# KiCad board POWER_BOARD.kicad_pcb (continued)
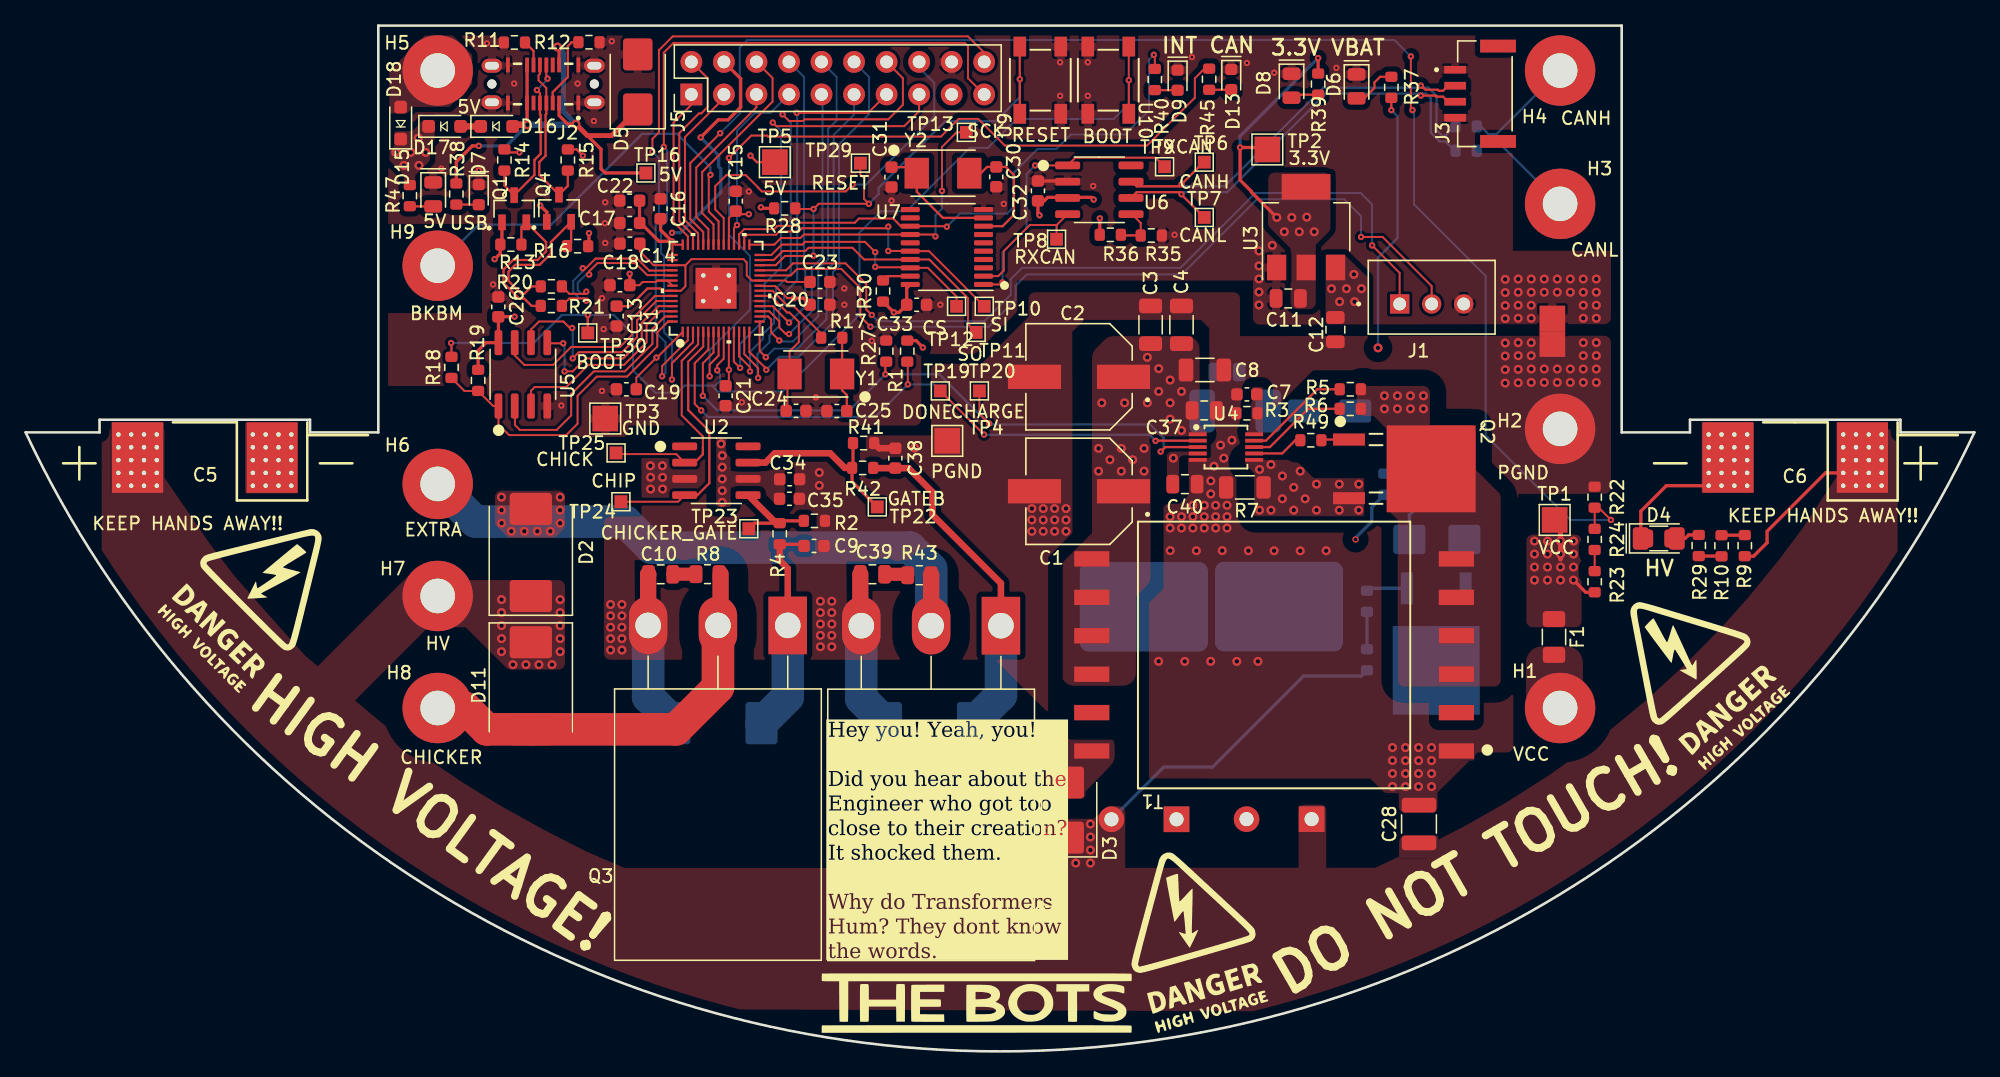
[diagram p0: board, top side]
## Footprints (pads in the part's own frame, mm; a bottom-side part is the same pattern mirrored in y, then rotated)
ABM3
  rect 1.9x2.4 smd: 1(-2.05,0) 2(2.05,0)
C_0603_1608Metric
  rrect 0.9x0.95 smd: 1(-0.775,0) 2(0.775,0)
C_0805_2012Metric
  rrect 1x1.45 smd: 1(-0.95,0) 2(0.95,0)
C_1206_3216Metric
  rrect 1.15x1.8 smd: 1(-1.475,0) 2(1.475,0)
C_1210_3225Metric
  rrect 1.15x2.7 smd: 1(-1.475,0) 2(1.475,0)
CAP_25SVPF100M
  rect 4.15x1.9 smd: 1(-3.475,0) 2(3.475,0)
CP_Radial_Horizontal_D25.4mm_H45mm
  round 0.7 hole 0.35: 1(-6.75,-1.15) 1(-6.75,-2.15) 1(-6.75,-3.15) 1(-6.75,-4.15) 1(-6.75,-5.15) 1(-5.75,-1.15) 1(-5.75,-2.15) 1(-5.75,-3.15) 1(-5.75,-4.15) 1(-5.75,-5.15) 1(-4.75,-1.15) 1(-4.75,-2.15) 1(-4.75,-3.15) 1(-4.75,-4.15) 1(-4.75,-5.15) 1(-3.75,-1.15) 1(-3.75,-2.15) 1(-3.75,-3.15) 1(-3.75,-4.15) 1(-3.75,-5.15) 2(3.75,-1.15) 2(3.75,-2.15) 2(3.75,-3.15) 2(3.75,-4.15) 2(3.75,-5.15) 2(4.75,-1.15) 2(4.75,-2.15) 2(4.75,-3.15) 2(4.75,-4.15) 2(4.75,-5.15) 2(5.75,-1.15) 2(5.75,-2.15) 2(5.75,-3.15) 2(5.75,-4.15) 2(5.75,-5.15) 2(6.75,-1.15) 2(6.75,-2.15) 2(6.75,-3.15) 2(6.75,-4.15) 2(6.75,-5.15)
  rect 4x5.5 smd: 1(-5.25,-2.95) 2(5.25,-2.95)
  rect 4x5.5 smd far side: 1(-5.25,-2.95)
CP_Radial_Horizontal_D25.4mm_H45mm_reversed
  round 0.7 hole 0.35: 1(3.75,-1.15) 1(3.75,-2.15) 1(3.75,-3.15) 1(3.75,-4.15) 1(3.75,-5.15) 1(4.75,-1.15) 1(4.75,-2.15) 1(4.75,-3.15) 1(4.75,-4.15) 1(4.75,-5.15) 1(5.75,-1.15) 1(5.75,-2.15) 1(5.75,-3.15) 1(5.75,-4.15) 1(5.75,-5.15) 1(6.75,-1.15) 1(6.75,-2.15) 1(6.75,-3.15) 1(6.75,-4.15) 1(6.75,-5.15) 2(-6.75,-1.15) 2(-6.75,-2.15) 2(-6.75,-3.15) 2(-6.75,-4.15) 2(-6.75,-5.15) 2(-5.75,-1.15) 2(-5.75,-2.15) 2(-5.75,-3.15) 2(-5.75,-4.15) 2(-5.75,-5.15) 2(-4.75,-1.15) 2(-4.75,-2.15) 2(-4.75,-3.15) 2(-4.75,-4.15) 2(-4.75,-5.15) 2(-3.75,-1.15) 2(-3.75,-2.15) 2(-3.75,-3.15) 2(-3.75,-4.15) 2(-3.75,-5.15)
  rect 4x5.5 smd: 1(5.25,-2.95) 2(-5.25,-2.95)
  rect 4x5.5 smd far side: 2(-5.25,-2.95)
D_SMA
  rrect 2.5x1.8 smd: 1(-2,0) 2(2,0)
D_SMB
  rrect 2.5x2.3 smd: 1(-2.15,0) 2(2.15,0)
D_SMC
  rrect 2.5x3.3 smd: 1(-3.4,0) 2(3.4,0)
D_SOD-323_HandSoldering
  rrect 1x1 smd: 1(-1.25,0) 2(1.25,0)
DA2034-ALD_COC
  rect 2.743x1.2 smd: 1(-14.234,7.5) 2(-14.234,4.5) 3(-14.234,1.5) 4(-14.234,-1.5) 5(-14.234,-4.5) 6(-14.234,-7.5) 7(14.234,-7.5) 8(14.234,-4.5) 9(14.234,-1.5) 10(14.234,1.5) 11(14.234,4.5) 12(14.234,7.5)
DPAK-3_ONS
  rect 0.94x2.489 smd: 1(-2.29,-6.413) 3(2.29,-6.413)
  rect 6.782x6.934 smd: 2(0,0)
Fuse_1206_3216Metric
  rrect 1.25x1.75 smd: 1(-1.4,0) 2(1.4,0)
GCT_USB4145-03-0170-C_REVA2
  round 0.71 hole 0.71 unplated: (-4,0) (4,0)
  rect 0.3x1.15 smd: A1(-2.75,1.485) A4(-1.25,1.485) A5(-0.75,1.485) A6(-0.25,1.485) A7(0.25,1.485) A8(0.75,1.485) A9(1.25,1.485) A12(2.75,1.485) B1(2.75,-1.485) B4(1.25,-1.485) B5(0.75,-1.485) B6(0.25,-1.485) B7(-0.25,-1.485) B8(-0.75,-1.485) B9(-1.25,-1.485) B12(-2.75,-1.485)
  oval 1.6x1.1 hole 1.1x0.6: S1(-4,1.43) S2(4,1.43) S3(-4,-1.43) S4(4,-1.43)
JST_B3B-XH-A
  rect 1.508x1.508 hole 1: 1(-2.5,-0.525)
  round 1.508 hole 1: 2(0,-0.525) 3(2.5,-0.525)
JST_BM04B-GHS-TBT
  rect 0.6x1.7 smd: 1(1.875,3.35) 2(0.625,3.35) 3(-0.625,3.35) 4(-1.875,3.35)
  rect 1x2.8 smd: S1(-3.725,0) S2(3.725,0)
LED_0603_1608Metric
  rrect 0.875x0.95 smd: 1(-0.787,0) 2(0.787,0)
LED_0805_2012Metric
  rrect 0.975x1.4 smd: 1(-0.938,0) 2(0.938,0)
LED_1206MERGE0805
  rrect 1.25x1.75 smd: 1(-1.4,0) 2(1.4,0)
  rrect 0.975x1.4 smd: 1(-0.925,0) 2(0.925,0)
MountingHole_2.7mm_M2.5_DIN965_Pad
  round 5.5 hole 2.7: 1(0,0)
MSOP-10_3x3mm_P0.5mm
  rect 1.4x0.3 smd: 1(-2.2,1) 2(-2.2,0.5) 3(-2.2,0) 4(-2.2,-0.5) 5(-2.2,-1) 6(2.2,-1) 7(2.2,-0.5) 8(2.2,0) 9(2.2,0.5) 10(2.2,1)
NetTie-2_SMD_Pad2.0mm
  rect 2x2 smd: 1(-1,0) 2(1,0)
PinHeader_2x10_P2.54mm_Vertical
  rect 1.7x1.7 hole 1: 1(0,0)
  oval 1.7x1.7 hole 1: 2(2.54,0) 3(0,-2.54) 4(2.54,-2.54) 5(0,-5.08) 6(2.54,-5.08) 7(0,-7.62) 8(2.54,-7.62) 9(0,-10.16) 10(2.54,-10.16) 11(0,-12.7) 12(2.54,-12.7) 13(0,-15.24) 14(2.54,-15.24) 15(0,-17.78) 16(2.54,-17.78) 17(0,-20.32) 18(2.54,-20.32) 19(0,-22.86) 20(2.54,-22.86)
QFN56_7X7_RPI
  rect 0.813x0.178 smd: 1(-3.404,2.6) 2(-3.404,2.2) 3(-3.404,1.8) 4(-3.404,1.4) 5(-3.404,1) 6(-3.404,0.6) 7(-3.404,0.2) 8(-3.404,-0.2) 9(-3.404,-0.6) 10(-3.404,-1) 11(-3.404,-1.4) 12(-3.404,-1.8) 13(-3.404,-2.2) 14(-3.404,-2.6) 29(3.404,-2.6) 30(3.404,-2.2) 31(3.404,-1.8) 32(3.404,-1.4) 33(3.404,-1) 34(3.404,-0.6) 35(3.404,-0.2) 36(3.404,0.2) 37(3.404,0.6) 38(3.404,1) 39(3.404,1.4) 40(3.404,1.8) 41(3.404,2.2) 42(3.404,2.6)
  rect 0.178x0.813 smd: 15(-2.6,-3.404) 16(-2.2,-3.404) 17(-1.8,-3.404) 18(-1.4,-3.404) 19(-1,-3.404) 20(-0.6,-3.404) 21(-0.2,-3.404) 22(0.2,-3.404) 23(0.6,-3.404) 24(1,-3.404) 25(1.4,-3.404) 26(1.8,-3.404) 27(2.2,-3.404) 28(2.6,-3.404) 43(2.6,3.404) 44(2.2,3.404) 45(1.8,3.404) 46(1.4,3.404) 47(1,3.404) 48(0.6,3.404) 49(0.2,3.404) 50(-0.2,3.404) 51(-0.6,3.404) 52(-1,3.404) 53(-1.4,3.404) 54(-1.8,3.404) 55(-2.2,3.404) 56(-2.6,3.404)
  round 0.7 hole 0.35: 57(-1,1) 57(-1,-1) 57(0,0) 57(1,1) 57(1,-1)
  rect 3.2x3.2 smd: 57(0,0)
R_0603_1608Metric
  rrect 0.8x0.95 smd: 1(-0.825,0) 2(0.825,0)
R_0805_2012Metric
  rrect 1.025x1.4 smd: 1(-0.912,0) 2(0.912,0)
R_1206_3216Metric
  rrect 1.125x1.75 smd: 1(-1.462,0) 2(1.462,0)
R_2512_6332Metric
  rrect 2x3.35 smd: 1(-2.575,0) 2(2.575,0)
SOIC-8_3.9x4.9mm_P1.27mm
  rrect 1.95x0.6 smd: 1(-2.475,1.905) 2(-2.475,0.635) 3(-2.475,-0.635) 4(-2.475,-1.905) 5(2.475,-1.905) 6(2.475,-0.635) 7(2.475,0.635) 8(2.475,1.905)
SOT95P240X111-3N
  rrect 1.23x0.6 smd: 1(-1.06,0.95) 2(-1.06,-0.95) 3(1.06,0)
SOT-223-3_TabPin2
  rect 2x1.5 smd: 1(-3.15,2.3) 2(-3.15,0) 3(-3.15,-2.3)
  rect 2x3.8 smd: 2(3.15,0)
SW_PTS647SM38SMTR2LFS_CNK
  rect 1.549x0.991 smd: 1(-2.625,1.6) 2(2.625,1.6) 3(-2.625,-1.6) 4(2.625,-1.6)
TestPoint_Pad_1.0x1.0mm
  rect 1x1 smd: 1(0,0)
TestPoint_Pad_2.0x2.0mm
  rect 2x2 smd: 1(0,0)
TO-220-2_Horizontal_TabDown
  rect 2x2 hole 1.1: 1(0,0)
  oval 2x2 hole 1.1: 2(5.08,0)
  rrect 10x7 smd: 3(2.55,16.6)
TO-247-3_Horizontal_TabDown
  rect 3x4.5 hole 2: 1(0,0)
  oval 3x4.5 hole 2: 2(5.45,0) 3(10.9,0)
TSSOP-20_4.4x6.5mm_P0.65mm
  rrect 1.475x0.4 smd: 1(-2.862,2.925) 2(-2.862,2.275) 3(-2.862,1.625) 4(-2.862,0.975) 5(-2.862,0.325) 6(-2.862,-0.325) 7(-2.862,-0.975) 8(-2.862,-1.625) 9(-2.862,-2.275) 10(-2.862,-2.925) 11(2.862,-2.925) 12(2.862,-2.275) 13(2.862,-1.625) 14(2.862,-0.975) 15(2.862,-0.325) 16(2.862,0.325) 17(2.862,0.975) 18(2.862,1.625) 19(2.862,2.275) 20(2.862,2.925)

## Nets
5V_IN: D18.2 H5.1
5V_USB: D5.1 D16.2 J2.A4 J2.A9 J2.B4 J2.B9 R38.2 TP16.1
+3.3V: C11.1 C15.1 C16.1 C17.1 C18.1 C19.1 C20.1 C21.1 C22.1 C26.1 C32.1 C33.1 J5.4 Q1.1 Q4.1 R1.2 R13.1 R16.1 R19.2 R28.1 R30.1 R36.1 R39.1 TP2.1 U1.1 U1.10 U1.22 U1.33 U1.42 U1.43 U1.44 U1.48 U1.49 U3.2 U5.8 U6.3 U7.20
+5V: C12.1 D17.1 D18.1 J5.17 R14.1 R15.1 R47.2 TP5.1 U3.3
/Power/3V3_DIO: D8.2 R39.2
/Power/5V_DIO: D15.2 R47.1
/Power/VCC_DIO: D6.2 R37.2
/Power/VCC_FUSE: F1.2 H1.1
/RP2040_CAN_FLASH/4.8V_USB: D16.1 D17.2
/RP2040_CAN_FLASH/+1.1V: C13.1 C14.1 C23.1 U1.23 U1.45 U1.50
GND: C11.2 C13.2 C14.2 C15.2 C16.2 C17.2 C18.2 C19.2 C20.2 C21.2 C22.2 C23.2 C24.1 C25.1 C26.2 C30.2 C31.2 C32.2 C33.2 D5.2 D6.1 D7.1 D8.1 D9.1 D13.1 D15.1 J1.3 J2.A1 J2.A12 J2.B1 J2.B12 J2.S1 J2.S2 J2.S3 J2.S4 J3.1 J3.4 J5.18 NT1.2 R11.2 R12.2 R27.2 R35.2 TP3.1 U1.19 U1.57 U3.1 U5.4 U6.2 U7.10 U9.3 U9.4 U10.3 U10.4
GNDPWR: C1.2 C2.2 C3.2 C4.2 C5.2 C6.2 C7.2 C8.2 C9.2 C10.2 C12.2 C28.2 C34.2 C35.2 C37.2 C38.2 C39.2 C40.2 D1.2 D4.1 D10.2 D12.2 H2.1 NT1.1 Q3.3 Q5.2 Q6.3 Q7.3 R2.2 R3.1 R7.1 R22.2 R32.2 R41.2 R44.3 R48.3 T1.1 TP4.1 U2.3 U4.5
VCC: C1.1 C2.1 C3.1 C4.1 C8.1 C27.1 C34.1 C35.1 C37.1 C40.1 F1.1 R23.1 R31.1 R37.1 R46.1 T1.7 T1.8 T1.9 T1.10 TP1.1 U2.6 U4.1 U4.4
/Flyback_HV/AD_35W: Q6.2 R44.1 R48.2
/Flyback_HV/AD_G: D12.1 Q5.3 Q6.1 R33.2
/Flyback_HV/AD_LV_G: Q5.1 R31.2 R32.1
/Flyback_HV/AD_R: R33.1 R34.2
/Flyback_HV/CHICKER_GATE: R2.1 R4.1 TP23.1 U2.5
/Flyback_HV/EXTRA_GATE: R41.1 R42.1 TP22.1 U2.7
/Flyback_HV/HV_DIO: D3.2 T1.12
/Flyback_HV/IGBTGATE_CHICKER: C9.1 D1.1 Q3.1 R4.2
/Flyback_HV/IGBTGATE_EXTRA: C38.1 D10.1 Q7.1 R42.2
/Flyback_HV/Q2D: D14.2 Q2.2 R5.2 R6.2 T1.3 T1.4 T1.5 T1.6
/Flyback_HV/RBG: C7.1 R3.2 U4.10
/Flyback_HV/RCD: C27.2 D14.1 R46.2
/Flyback_HV/RDCM: R6.1 U4.8
/Flyback_HV/RVOUT: R5.1 U4.9
/Flyback_HV/SNUB: C39.1 R43.2
/Flyback_HV/SNUB2: C10.1 R8.2
/Flyback_HV/VSOURCE: Q2.3 R7.2 U4.6
/Power/CANR+: H4.1 R26.1
/Power/CANR-: H3.1 R25.1
/Power/USB_DIO: D7.2 R38.1
/RP2040_CAN_FLASH/BOOT: R18.1 TP30.1 U1.9 U10.1 U10.2
/RP2040_CAN_FLASH/CAN_LED: R45.1 U1.8
/RP2040_CAN_FLASH/CC1: J2.A5 R12.1
/RP2040_CAN_FLASH/CC2: J2.B5 R11.1
/RP2040_CAN_FLASH/D+: Q4.2 R16.2 R20.2
/RP2040_CAN_FLASH/D-: Q1.2 R13.2 R21.2
/RP2040_CAN_FLASH/Data+: J2.A6 J2.B6 Q4.3 R15.2
/RP2040_CAN_FLASH/Data-: J2.A7 J2.B7 Q1.3 R14.2
/RP2040_CAN_FLASH/DR+: R20.1 U1.47
/RP2040_CAN_FLASH/DR-: R21.1 U1.46
/RP2040_CAN_FLASH/GPIO8: J5.15 U1.11
/RP2040_CAN_FLASH/GPIO9: J5.14 U1.12
/RP2040_CAN_FLASH/GPIO10: J5.13 U1.13
/RP2040_CAN_FLASH/GPIO11: J5.12 U1.14
/RP2040_CAN_FLASH/GPIO12: J5.11 U1.15
/RP2040_CAN_FLASH/GPIO13: J5.10 U1.16
/RP2040_CAN_FLASH/GPIO14: J5.9 U1.17
/RP2040_CAN_FLASH/GPIO15: J5.8 U1.18
/RP2040_CAN_FLASH/GPIO21: J5.7 U1.32
/RP2040_CAN_FLASH/GPIO22: J5.16 U1.34
/RP2040_CAN_FLASH/GPIO24: J5.6 U1.36
/RP2040_CAN_FLASH/GPIO25: J5.5 U1.37
/RP2040_CAN_FLASH/GPIO27_ADC1: J5.3 U1.39
/RP2040_CAN_FLASH/GPIO28_ADC2: J5.2 U1.40
/RP2040_CAN_FLASH/GPIO29_ADC3: J5.1 U1.41
/RP2040_CAN_FLASH/INT: R40.1 U1.31 U7.13
/RP2040_CAN_FLASH/OSC1: C31.1 U7.9 Y2.1
/RP2040_CAN_FLASH/OSC2: C30.1 U7.8 Y2.2
/RP2040_CAN_FLASH/QSPI_SCLK: U1.52 U5.6
/RP2040_CAN_FLASH/QSPI_SD0: U1.53 U5.5
/RP2040_CAN_FLASH/QSPI_SD1: U1.55 U5.2
/RP2040_CAN_FLASH/QSPI_SD2: U1.54 U5.3
/RP2040_CAN_FLASH/QSPI_SD3: U1.51 U5.7
/RP2040_CAN_FLASH/QSPI_SS: R18.2 R19.1 U1.56 U5.1
/RP2040_CAN_FLASH/RUN: R28.2 TP29.1 U1.26 U9.1 U9.2
/RP2040_CAN_FLASH/RX: J5.20 U1.2
/RP2040_CAN_FLASH/RXCAN: TP8.1 U6.4 U7.2
/RP2040_CAN_FLASH/SPI0_CS: TP12.1 U1.28 U7.18
/RP2040_CAN_FLASH/SPI0_RX: TP11.1 U1.27 U7.17
/RP2040_CAN_FLASH/SPI0_SCK: TP13.1 U1.29 U7.14
/RP2040_CAN_FLASH/SPI0_TX: TP10.1 U1.30 U7.16
/RP2040_CAN_FLASH/SWCLK: J1.2 U1.24
/RP2040_CAN_FLASH/SWDIO: J1.1 U1.25
/RP2040_CAN_FLASH/TX: J5.19 U1.3
/RP2040_CAN_FLASH/TXCAN: TP9.1 U6.1 U7.1
/RP2040_CAN_FLASH/Vref1.65V: R35.1 R36.2 U6.5
/RP2040_CAN_FLASH/XIN: C24.2 U1.20 Y1.2
/RP2040_CAN_FLASH/XOUT: R17.2 U1.21
BATT_LEVEL: R22.1 R24.2 U1.38
BKBM: H9.1 U1.35
CAN+: J3.2 R26.2 TP6.1 U6.7
CAN-: J3.3 R25.2 TP7.1 U6.6
CHARGE: R27.1 TP20.1 U1.7 U4.3
CHICKER: TP25.1 U1.4 U2.2
CHICKER_HV: D11.2 H8.1 Q3.2 R8.1
CHIP_EXTRA: TP24.1 U1.5 U2.4
DONE: R1.1 TP19.1 U1.6 U4.2
EXTRA_HV: D2.2 H6.1 Q7.2 R43.1
HV: C5.1 C6.1 C28.1 D2.1 D3.1 D11.1 H7.1 R9.2 R34.1 R44.2 R48.1
Net-(C25-Pad2): C25.2 R17.1 Y1.1
Net-(D4-A): D4.2 R29.1
Net-(D9-A): D9.2 R40.2
Net-(D13-A): D13.2 R45.2
Net-(Q2-G): Q2.1 R49.2
Net-(R10-Pad1): R10.1 R29.2
Net-(R10-Pad2): R9.1 R10.2
Net-(R23-Pad2): R23.2 R24.1
Net-(U4-GATE): R49.1 U4.7
Net-(U7-~{RESET}): R30.2 U7.19

Pads without a net: J2 A8 B8; J3 S1 S2; T1 2 11; U2 1 8; U6 8; U7 3 4 5 6 7 11 12 15

## Via types
v1: diameter 0.7, hole 0.35, Top to Bottom, 271 vias
v2: diameter 0.5, hole 0.2, Top to Bottom, 127 vias
v3: diameter 0.5, hole 0.3, Top to Bottom, 1 via

## Routing (per net, layer and track width the routed paths; a pad name or vN(x,y) marks a point on that pad's centre or on a via; arc(x,y) is an arc through that point)
5V_USB: length 41.5
  Top w0.254: R38.2 33.63,69.47 34.87,70.72 v2(35.38,70.72) ; J2.B9 41.65,78.3 v1(41.52,78.44) ; J2.B4 J2.A9 39.15,72.4 v1(39.19,72.37) ; TP16.1 45.25,68.6 44.92,68.93 44.92,70.45 43.86,71.52 ; J2.A4 41.65,73.09 42.33,72.41 v1(42.97,72.41)
  Top w0.381: v1(42.97,72.41) 43.86,71.52 45.75,71.52 D5.1
  Top w0.508: v1(39.19,72.37) 38.15,72.37 D16.2
  Bottom w0.254: v2(35.38,70.72) 37.54,70.72 v1(39.19,72.37)
  Bottom w0.381: v1(42.97,72.41) 41.98,73.39 41.98,77.97 v1(41.52,78.44)
  Bottom w0.508: v1(42.97,72.41) 42.92,72.37 v1(39.19,72.37)
+3.3V: length 97.8
  Top w0.152: U1.33 54.91,65.08 C15.1 55.69,65.38 v2(56.46,65.38) ; 49.32,60.2 49.21,60.09 48.17,60.09 47.92,59.84 C18.1 ; 49.32,60.2 50.1,60.2 U1.49 ; 49.32,60.2 U1.48 ; U1.44 U1.43 50.5,63.22 ; v2(59.99,58.82) 59.48,58.82 58.53,59.77 57.34,59.77 U1.22 ; U1.42 50.72,63 v2(50.46,63.27) ; U1.10 v2(54.91,53.23) 54.91,52.23 C21.1 ; C19.1 47.68,52.61 v2(49.25,54.18) 49.3,54.18 U1.1
  Top w0.254: R19.2 35.33,54.74 35.94,55.35 U5.8 36.92,57.35 C26.1 36.92,57.38 v2(38.17,57.38) ; Q1.1 37.19,63.14 R13.1 37.06,62.31 v2(36.62,61.87) ; v2(83.87,65.05) 83.86,65.05 R36.1 ; C16.1 49.57,64.15 v2(50.46,63.27) 49.44,63.27 48.02,64.69 C17.1 47.93,64.7 C22.1 ; v2(52.7,71.38) 54.07,72.75 54.84,72.75 55.83,73.74 55.83,75.97 J5.4 ; C18.1 47.17,60.71 v2(47.16,60.73) ; TP2.1 96.8,70.59 v2(94.82,70.59) 94.82,68.05 95.7,67.16 95.7,67.11 v1(97.69,65.13) ; C20.1 60.73,58.82 v2(59.99,58.82) ; R30.1 67.79,57.71 v2(67.79,57.71) 68.19,57.71 C33.1 68.79,59.62 U7.20 ; v2(70.05,54.97) 70.05,54.98 69.52,55.51 R1.2 ; v2(40.17,66.06) 40.69,65.54 Q4.1 ; v2(79.16,65.3) 79.04,65.42 C32.1 79.53,66.43 79.8,66.69 83.22,66.69 v2(83.39,66.52) ; R28.1 57.48,65.84 v2(57.4,65.92) ; R39.1 v2(100.91,77.57) ; v2(43.98,63.9) 43.98,62.82
  Bottom w0.254: v2(50.47,63.93) 51.13,63.93 54.28,67.08 54.28,68.91 54.1,69.09 54.1,69.98 v2(52.7,71.38) ; v2(94.82,70.59) 94.82,71.48 v2(100.91,77.57)
  vias: v1(98.27,64.01) v1(98.85,65.13) v1(99.44,64.01) v1(100.02,65.15) v1(100.61,64.01)
+5V: length 4.8
  Top w0.178: v2(56.59,69.95) 57.1,69.45 TP5.1 ; R15.1 43.02,70.44 v2(43.51,69.95) ; v2(38.55,70.21) 37.61,70.21 R14.1
  vias: v1(28.9,70.21) v1(29.54,69.19) v1(30.07,70.21) v1(30.66,71.33) v1(30.71,69.19) v1(31.24,70.21) v1(101.95,59.57) v1(102.59,58.55) v1(103.12,59.57) v1(103.71,60.68) v1(103.76,58.55) v1(104.29,59.57)
/Power/3V3_DIO: length 2.2
  Top w0.178: D8.2 99.08,74.72 R39.2
/Power/5V_DIO: length 1.8
  Top w0.178: R47.1 30.01,65.99 D15.2
/Power/VCC_DIO: length 3.7
  Top w0.178: R37.2 105.75,76.11 105.31,75.67 105.31,75.24 104.5,74.43 D6.2
/RP2040_CAN_FLASH/4.8V_USB: length 1.6
  Top w0.508: D16.1 D17.2
/RP2040_CAN_FLASH/+1.1V: length 23.7
  Top w0.152: 51.51,61.4 51.98,61.87 56.05,61.87 56.3,61.61 56.3,60.6 56.7,60.2 U1.23 59.35,60.2 59.46,60.09 C23.1 ; 51.51,61.4 U1.45 49.03,61.4 47.95,62.47 C14.1 ; 51.51,61.4 51.51,59.76 51.16,59.4 U1.50
  Top w0.178: U1.50 49.74,59.4 49.56,59.58 48.56,59.58 47.17,58.2 C13.1
GND: length 2.4
  Top w0.254: C32.2 81.37,67.98 81.39,67.96
  vias: v1(96.29,62.51) v1(96.29,61.34) v1(96.29,60.33) v1(96.29,59.31) v1(96.29,58.3) v1(97.33,62.94) v1(115.52,60.29) v1(115.52,59.26) v1(115.52,58.24) v1(115.52,57.23) v1(116.53,60.32) v1(116.53,59.29) v1(116.53,58.27) v1(116.53,57.25) v1(117.55,60.32) v1(117.55,59.29) v1(117.55,58.27) v1(117.55,57.25) v1(118.56,60.32) v1(118.56,59.29) v1(119.58,60.32) v1(119.58,59.29) v1(120.6,60.32) v1(120.6,59.29) v1(121.61,60.32) v1(121.61,59.29) v1(121.61,58.27) v1(121.61,57.25) v1(122.63,60.32) v1(122.63,59.29) v1(122.63,58.27) v1(122.63,57.25) v2(32.46,68.94) v2(35.38,68.81) v2(36.01,78.72) v2(36.5,59.9) v2(38.14,75.58) v2(41.82,50.44) v2(43.09,75.58) v2(44.36,72.66) v2(45,58.82) v2(45,51.58) v2(45.13,56.41) v2(45.25,66.31) v2(45.23,64.67) v2(45.25,63.14) v2(45.76,78.89) v2(55.92,50.69) v2(56.46,67.16) v2(61.7,51.08) v2(63.92,59.58) v2(63.92,58.31) v2(66.06,55.5) v2(67.61,66.44) v2(71.42,58.31) v2(76.37,66.19) v2(80.77,77.24) v2(80.77,74.63) v2(82.93,77.24) v2(82.93,74.63) v2(83.35,67.58) v2(89.7,63.77) v2(91.06,77.65) v2(95.35,77.19) v2(97.48,76.43) v2(102.33,76.81)
GNDPWR: length 36.7
  Top w0.254: D4.1 126.11,42.19 128.09,44.18 C6.2
  Top w0.508: R41.2 66.65,47.1 C38.2
  Top w1.016: 65.17,33.33 65.25,33.25
  Top w1.27: Q3.3 48.6,37.25 48.61,37.26 ; C39.2 65.17,33.33
  Bottom w0.254: Q5.2 110.08,45.36 R32.2
  Bottom w2.54: Q3.3 48.6,27.68 D1.2 ; D10.2 65.25,27.54 65.25,33.25
  vias: v1(45.67,34.9) v1(45.67,34.01) v1(45.67,33.12) v1(45.67,32.23) v1(45.67,31.35) v1(46.56,34.9) v1(46.56,34.01) v1(46.56,33.12) v1(46.56,32.23) v1(46.56,31.35) v1(48.78,45.73) v1(48.79,44.83) v1(48.79,43.92) v1(49.72,45.73) v1(49.73,44.83) v1(49.73,43.92) v1(61.97,45.21) v1(61.97,44.2) v1(62.05,35.16) v1(62.05,34.27) v1(62.05,33.38) v1(62.05,32.49) v1(62.05,31.6) v1(62.94,35.16) v1(62.94,34.27) v1(62.94,33.38) v1(62.94,32.49) v1(62.94,31.6) v1(69.41,47.12) v1(78.56,42.39) v1(78.56,41.51) v1(78.56,40.62) v1(79.45,42.39) v1(79.45,41.51) v1(79.45,40.62) v1(80.34,42.39) v1(80.34,41.51) v1(80.34,40.62) v1(81.23,42.39) v1(81.23,41.51) v1(81.23,40.62) v1(88.46,30.46) v1(89.35,41.76) v1(89.35,40.87) v1(89.36,39.11) v1(90.24,41.76) v1(90.24,40.87) v1(90.5,30.46) v1(91.13,42.65) v1(91.13,41.76) v1(91.13,40.87) v1(91.4,39.1) v1(92.02,42.65) v1(92.02,41.76) v1(92.02,40.87) v1(92.52,30.46) v1(92.53,44.55) v1(92.53,43.54) v1(92.78,45.7) v1(92.91,42.65) v1(92.91,41.76) v1(92.91,40.87) v1(93.29,47.35) v1(93.43,39.11) v1(93.55,46.33) v1(93.8,42.65) v1(93.8,41.76) v1(93.8,40.87) v1(94.18,47.73) v1(94.56,30.46) v1(95.47,39.1) v1(96.21,30.46) v1(97.47,39.1) v1(99.51,39.09) v1(101.54,39.1) v1(106.71,23.73) v1(106.71,22.72) v1(106.71,21.7) v1(106.71,20.68) v1(107.74,23.73) v1(107.74,22.71) v1(107.74,21.69) v1(107.74,20.68) v1(108.75,23.73) v1(108.75,22.71) v1(108.75,21.69) v1(108.75,20.68) v1(109.77,23.73) v1(109.77,22.71) v1(109.77,21.69) v1(109.77,20.68) v1(115.52,55.32) v1(115.52,54.31) v1(115.52,53.24) v1(115.52,52.19) v1(116.53,55.35) v1(116.53,54.33) v1(116.53,53.27) v1(116.53,52.22) v1(117.55,55.35) v1(117.55,54.33) v1(117.55,53.29) v1(117.55,52.24) v1(118.56,53.29) v1(118.56,52.24) v1(119.58,53.29) v1(119.58,52.24) v1(120.6,53.29) v1(120.6,52.24) v1(121.61,55.35) v1(121.61,54.33) v1(121.61,53.29) v1(121.61,52.24) v1(122.63,55.35) v1(122.63,54.33) v1(122.63,53.29) v1(122.63,52.24)
VCC: length 30.1
  Top w0.178: v2(106.63,73.51) R37.1
  Top w0.254: v1(120.85,36.81) 121.8,35.85 R23.1
  Top w0.381: 119.83,38.46 119.83,41.05 TP1.1
  Bottom w0.178: v1(105.59,54.94) 105.59,61.99 107.1,63.51 107.1,73.03 v2(106.63,73.51)
  Bottom w0.254: v3(103.83,39.98) 103.83,40.11 105.1,41.38 105.1,42.49 R31.1
  vias: v1(54.3,47.45) v1(54.39,46.53) v1(54.39,45.62) v1(54.39,44.71) v1(54.39,43.79) v1(54.39,42.88) v1(83.77,47.09) v1(83.77,45.32) v1(84.02,50.65) v1(84.66,46.2) v1(85.54,47.09) v1(85.54,45.32) v1(85.8,50.65) v1(86.43,46.2) v1(87.32,47.09) v1(87.32,45.32) v1(87.58,54.21) v1(87.58,50.65) v1(88.47,53.32) v1(88.47,51.54) v1(89.35,52.43) v1(89.35,50.65) v1(89.35,49.38) v1(89.61,46.33) v1(90.24,51.54) v1(90.24,48.49) v1(117.8,39.85) v1(117.8,38.84) v1(117.8,37.82) v1(117.8,36.81) v1(118.82,39.85) v1(118.82,38.84) v1(118.82,37.82) v1(118.82,36.81) v1(119.83,39.85) v1(119.83,38.84) v1(119.83,37.82) v1(119.83,36.81) v1(120.85,39.85) v1(120.85,38.84) v1(120.85,37.82)
/Flyback_HV/AD_G: length 6.8
  Bottom w0.254: D12.1 108.03,41.89 Q5.3 ; Q6.1 104.91,36.17 R33.2
/Flyback_HV/AD_LV_G: length 3.9
  Bottom w0.254: R32.1 108.31,46.71 Q5.1 108.2,45.12 R31.2
/Flyback_HV/AD_R: length 2.9
  Bottom w0.254: R33.1 R34.2
/Flyback_HV/CHICKER_GATE: length 7.9
  Top w0.254: R2.1 59.06,41.43 R4.1 56.89,41.25 TP23.1
  Top w0.508: U2.5 58.58,41.26 58.87,41.26
/Flyback_HV/EXTRA_GATE: length 14.7
  Top w0.254: TP22.1 64.53,44.49 64.53,45.57 64.6,45.64 R41.1
  Top w0.508: U2.7 57.76,45.98 58.49,46.71 62.81,46.71 63.95,45.57 64.53,45.57
/Flyback_HV/IGBTGATE_CHICKER: length 17
  Top w0.254: R4.2 60.65,39.6 C9.1
  Top w0.508: Q3.1 59.5,37.7 58.87,38.33 R4.2
  Bottom w2.54: D1.1 59.5,27.68 Q3.1
/Flyback_HV/IGBTGATE_EXTRA: length 26.6
  Top w0.508: 66.19,45.57 66.19,45.56 66.2,45.55 C38.1 68.93,45.55 70.81,43.66 70.81,41.89 76.15,36.55 Q7.1
  Bottom w2.54: D10.1 76.15,27.82 Q7.1
/Flyback_HV/Q2D:
  vias: v1(106.09,51.2) v1(106.09,50.18) v1(107.1,51.2) v1(107.1,50.18) v1(108.12,51.2) v1(108.12,50.18) v1(109.13,51.2) v1(109.13,50.18)
/Flyback_HV/RDCM: length 7.9
  Top w0.178: U4.8 97.15,47.19 100.13,50.18 R6.1
/Flyback_HV/RVOUT: length 8.3
  Top w0.178: U4.9 96.83,47.69 100.85,51.71 R5.1
/Flyback_HV/SNUB: length 1.8
  Top w1.016: C39.1 68.79,37.26 68.86,37.19
/Flyback_HV/SNUB2: length 1.8
  Top w1.016: 50.54,37.26 50.54,37.27 50.55,37.27 R8.2
/Flyback_HV/VSOURCE:
  vias: v1(96.34,45.44) v1(96.34,42.27) v1(97.23,45.82) v1(97.23,42.27) v1(98.12,44.93) v1(98.12,43.16) v1(99.01,44.05) v1(99.01,42.27) v1(99.51,45.32) v1(99.9,43.16) v1(100.78,44.3) v1(100.78,42.27) v1(102.56,44.3) v1(102.56,42.27) v1(104.09,44.3) v1(104.09,42.27)
/Power/CANR+: length 8.8
  Bottom w0.178: H4.1 114.82,71.62 114.23,71.62 113.61,72.24 R26.1
/Power/CANR-: length 8.9
  Bottom w0.178: H3.1 114.82,71.16 114.19,71.16 113.36,70.33 R25.1
/Power/USB_DIO: length 1.8
  Top w0.178: R38.1 35.37,66.13 D7.2
/RP2040_CAN_FLASH/BOOT: length 86
  Top w0.152: U1.9 54.51,54.1 54,53.59 v2(54,53.19) ; U10.2 86.13,75.85 v2(86.13,75.85) 86.13,75.85 U10.1
  Top w0.178: v2(33.22,55.32) 33.25,55.3 R18.1 ; v2(43.89,57.51) TP30.1
  Bottom w0.152: v2(54,53.19) 54,53.09 54.2,52.88 54.2,52.35 53.85,52 53.57,52 ; 53.57,52 51.46,52 50.9,51.44 49.17,51.44 47.42,53.19 47.42,56.01 45.92,57.51 v2(43.89,57.51) ; 53.57,52 54.02,51.54 59.1,51.54 65.1,57.53 65.1,63.93 66.77,65.61 68.76,65.61 73.71,70.56 75.13,70.56 77.39,72.82 84.96,72.82 86.13,73.99 v2(86.13,75.85)
  Bottom w0.178: v2(43.89,57.51) 41.86,57.51 39.67,55.32 v2(33.22,55.32)
/RP2040_CAN_FLASH/CAN_LED: length 65.9
  Top w0.152: v2(53.4,52.72) 53.4,53.63 54.11,54.34 U1.8 ; v2(54.91,69.78) 56.65,71.52 57.89,71.52 57.96,71.44 71.47,71.44 72.85,72.82 74.37,72.82 76.45,70.74 87.55,70.74 91.29,74.47 91.29,76 92.04,76.75 R45.1
  Bottom w0.152: v2(54.91,69.78) 54.91,63.77 56.56,62.12 56.56,57.93 53.4,54.78 v2(53.4,52.72)
/RP2040_CAN_FLASH/CC1: length 5.9
  Top w0.178: J2.A5 41.15,74.91 42.33,76.09 42.33,78.51 42.64,78.81 R12.1
/RP2040_CAN_FLASH/CC2: length 2
  Top w0.178: J2.B5 39.65,78.13 R11.1
/RP2040_CAN_FLASH/D+: length 13
  Top w0.178: R16.2 42.59,63.21 Q4.2 41.01,63.21 41.01,62.31 40.12,61.42 38.22,61.42 37.7,60.9 37.7,60.17 38.69,59.17 38.93,59.17 39.51,59.74 R20.2
/RP2040_CAN_FLASH/D-: length 13.4
  Top w0.178: R13.2 38.71,64.37 Q1.2 40.63,63.21 40.63,62.47 39.97,61.8 38.06,61.8 37.32,61.06 37.32,60.01 38.54,58.79 38.93,58.79 39.51,58.22 R21.2
/RP2040_CAN_FLASH/Data+: length 13.5
  Top w0.152: J2.A6 40.65,75.23 40.05,75.84 40.05,76.22 40.15,76.33 J2.B6
  Top w0.178: R15.2 42.33,67.6 Q4.3 40.1,68.45 40.1,69.45 40.59,69.94 40.59,73.14 40.65,73.2 J2.A6
/RP2040_CAN_FLASH/Data-: length 13.8
  Top w0.152: J2.A7 40.15,74.84 v2(39.92,75.08) ; v2(40.75,75.97) 40.65,76.06 J2.B7
  Top w0.178: J2.A7 40.15,73.2 40.21,73.14 40.21,70.1 39.72,69.61 39.72,68.45 Q1.3 37.38,67.63 R14.2
  Bottom w0.152: v2(39.92,75.08) 40.75,75.91 v2(40.75,75.97)
/RP2040_CAN_FLASH/DR+: length 12.2
  Top w0.152: v2(43.78,59.33) 43.6,59.16 42.45,59.16 R20.1 ; U1.47 49.89,60.6 49.87,60.62 48.54,60.62 47.59,61.56 44.64,61.56 43.99,60.91 v2(43.99,60.67)
  Bottom w0.152: v2(43.78,59.33) 43.6,59.16 43.39,59.16 43.11,59.44 43.11,60.03 43.75,60.67 v2(43.99,60.67)
/RP2040_CAN_FLASH/DR-: length 13.4
  Top w0.152: R21.1 42.45,58.8 43.6,58.8 v2(43.78,58.63) ; U1.46 49.89,61 49.87,60.98 48.68,60.98 47.74,61.92 44.5,61.92 43.74,61.17 v2(43.5,61.17)
  Bottom w0.152: v2(43.78,58.63) 43.6,58.8 43.25,58.8 42.75,59.3 42.75,60.17 43.5,60.92 v2(43.5,61.17)
/RP2040_CAN_FLASH/GPIO8: length 37.1
  Top w0.152: v2(58.33,72.54) 58.61,72.26 68.6,72.26 69.76,73.42 J5.15 ; U1.11 55.29,56.18 55.29,53.87 v2(55.78,53.38)
  Bottom w0.152: v2(58.33,72.54) 58.97,71.9 58.97,61.23 57.7,59.96 57.7,57.17 55.78,55.25 v2(55.78,53.38)
/RP2040_CAN_FLASH/GPIO9: length 39.1
  Top w0.152: v2(59.1,73.17) 59.6,72.66 60.69,72.66 60.82,72.79 67.35,72.79 68.49,73.93 68.49,76 J5.14 ; U1.12 55.7,56.19 55.7,54.28 56.56,53.43 v2(56.56,53.11)
  Bottom w0.152: v2(59.1,73.17) 59.73,72.54 59.73,60.73 58.59,59.58 58.59,58.31 58.44,58.16 58.44,56.89 57.57,56.03 57.57,55.65 56.56,54.63 v2(56.56,53.11)
/RP2040_CAN_FLASH/GPIO10: length 33.7
  Top w0.152: U1.13 56.11,54.45 56.96,53.59 56.96,53.59 57.19,53.36 v2(57.19,52.6) ; v2(60.2,73.3) 65.78,73.3 J5.13
  Bottom w0.152: v2(57.19,52.6) 57.14,52.65 57.14,54.45 58.08,55.39 58.08,55.9 58.84,56.66 58.84,57.93 59.22,58.31 59.22,59.2 60.24,60.22 60.24,73.26 v2(60.2,73.3)
/RP2040_CAN_FLASH/GPIO11: length 32.3
  Top w0.152: U1.14 56.51,54.63 57.83,53.31 v2(57.83,53.23)
  Bottom w0.152: J5.12 65.86,76.09 65.86,73.2 63.49,70.84 63.49,61.9 63.52,61.87 63.52,61.39 63.54,61.38 63.54,61.36 63.03,60.85 63.03,56.92 60.37,54.25 58.84,54.25 v2(57.83,53.23)
/RP2040_CAN_FLASH/GPIO12: length 27.4
  Top w0.152: v2(57.79,54.21) 57.31,54.7 U1.15
  Bottom w0.152: v2(57.79,54.21) 58.46,54.88 60.24,54.88 62.53,57.17 62.53,60.98 63.09,61.54 63.09,71.57 64.68,73.17 J5.11
/RP2040_CAN_FLASH/GPIO13: length 27.7
  Top w0.152: U1.16 57.96,57.4 58.21,57.15 58.21,56.15 v2(58.84,55.52)
  Bottom w0.152: J5.10 63.32,76.09 63.32,72.69 62.65,72.03 62.65,61.87 61.89,61.11 61.89,57.42 59.91,55.45 58.91,55.45 v2(58.84,55.52)
/RP2040_CAN_FLASH/GPIO14: length 23.1
  Top w0.152: U1.17 58.07,57.8 58.84,57.02 58.84,56.53 59.35,56.03 v2(59.6,56.03)
  Bottom w0.152: J5.9 62.22,74.66 62.22,62.03 61.38,61.2 61.38,57.8 v2(59.6,56.03)
/RP2040_CAN_FLASH/GPIO15: length 24.2
  Top w0.152: U1.18 58.32,58.2 v2(59.6,56.92)
  Bottom w0.152: J5.8 60.78,76.09 60.78,61.08 60.87,60.98 60.87,58.19 v2(59.6,56.92)
/RP2040_CAN_FLASH/GPIO21: length 14.2
  Top w0.152: U1.32 55.31,64.3 v2(55.54,64.54)
  Bottom w0.152: J5.7 58.16,73.3 56.94,73.3 55.54,71.9 v2(55.54,64.54)
/RP2040_CAN_FLASH/GPIO22: length 30
  Top w0.152: v2(64.56,67.69) 64.03,67.16 57.48,67.16 57.19,67.44 57.19,67.46 56.23,68.43 54.7,68.43 53.84,67.56 53.84,65.75 54.51,65.08 U1.34
  Bottom w0.152: J5.16 69.76,76.83 70.94,75.64 70.94,73 65.63,67.69 v2(64.56,67.69)
/RP2040_CAN_FLASH/GPIO24: length 17.4
  Top w0.152: J5.6 58.32,76.01 58.32,74.17 52.82,68.67 52.82,65.47 53.71,64.58 U1.36
/RP2040_CAN_FLASH/GPIO25: length 14.1
  Top w0.152: U1.37 53.31,64.22 52.36,65.17 52.36,69.02 57.06,73.72 J5.5
/RP2040_CAN_FLASH/GPIO27_ADC1: length 13.4
  Top w0.152: U1.39 52.51,63.89 51.48,64.92 51.48,71.39 54.52,74.44 J5.3
/RP2040_CAN_FLASH/GPIO28_ADC2: length 16.3
  Top w0.152: J5.2 53.25,76 53.25,73.76 52.75,73.26 52.58,73.26 51.04,71.72 51.04,64.83 52.11,63.76 U1.40
/RP2040_CAN_FLASH/GPIO29_ADC3: length 12.8
  Top w0.152: U1.41 51.71,63.66 50.59,64.77 50.59,72.54 51.98,73.93 J5.1
/RP2040_CAN_FLASH/INT: length 44.5
  Top w0.152: R40.1 88.16,77.75 v2(88.08,77.83) ; v2(71.92,64.41) 71.89,64.44 U7.13 68.33,64.44 67.73,65.04 65.07,65.04 64.74,64.72 60.44,64.72 60.19,64.47 58.7,64.47 58.44,64.21 56.1,64.21 55.71,63.81 U1.31
  Bottom w0.152: v2(88.08,77.83) 87.7,77.45 87.7,73.48 85.83,71.6 81.61,71.6 80.46,70.46 78.99,70.46 77.13,68.6 77.13,65.93 76.62,65.42 72.94,65.42 v2(71.92,64.41)
/RP2040_CAN_FLASH/OSC1: length 9.7
  Top w0.178: U7.9 71.62,65.09 69.58,67.14 Y2.1 69.11,69.05 C31.1
/RP2040_CAN_FLASH/OSC2: length 9.8
  Top w0.178: U7.8 76.28,64.44 77.16,65.33 77.16,68.44 76.53,69.07 C30.1 75.06,69.07 74.58,68.58 Y2.2
/RP2040_CAN_FLASH/QSPI_SCLK: length 17.6
  Top w0.152: 47.74,55.9 47.74,55.85 ; 47.74,55.9 47.74,57.1 49.24,58.6 U1.52 ; 47.74,55.9 47.74,55.78 46.56,54.6 43.2,54.6 v2(42.71,54.12) ; U5.6 39.46,56.38 40.08,57 41.98,57 42.49,56.5 v2(42.67,56.5)
  Bottom w0.152: v2(42.67,56.5) 42.71,56.46 v2(42.71,54.12)
/RP2040_CAN_FLASH/QSPI_SD0: length 14.8
  Top w0.152: v2(41.97,55.3) 40.78,55.3 U5.5 ; v2(42.08,53.11) 42.71,53.11 43.73,54.12 46.66,54.12 46.97,54.44 46.97,54.44 48.1,55.57 48.1,56.89 49.41,58.2 U1.53
  Bottom w0.152: v2(42.08,53.11) 42.08,55.19 v2(41.97,55.3)
/RP2040_CAN_FLASH/QSPI_SD1: length 19.1
  Top w0.152: U1.55 49.93,57.4 48.94,56.41 48.94,55.25 46.79,53.11 44.36,53.11 42.59,51.34 42.59,49.67 41.46,48.54 38.58,48.54 38.21,48.91 38.2,48.91 38.2,50.25 38.19,50.26
/RP2040_CAN_FLASH/QSPI_SD2: length 15.7
  Top w0.152: U1.54 49.55,57.8 48.48,56.73 48.48,55.37 46.72,53.61 43.94,53.61 42.21,51.88 39.75,51.88 39.46,51.59 39.46,50.26
/RP2040_CAN_FLASH/QSPI_SD3: length 16.4
  Top w0.152: U1.51 49.13,59 47.34,57.2 47.34,55.95 46.4,55.01 42.59,55.01 41.19,53.61 38.94,53.61 38.19,54.36 38.19,55.21
/RP2040_CAN_FLASH/QSPI_SS: length 25.4
  Top w0.152: U5.1 36.51,50.4 R19.1 34.26,51.58 R18.2 ; 36.92,50.26 36.92,48.96 37.75,48.13 42.21,48.13 43.09,49.02 43.09,51.2 44.59,52.7 46.96,52.7 49.32,55.06 49.32,56.15 50.16,57 U1.56
/RP2040_CAN_FLASH/RUN: length 39.7
  Top w0.152: TP29.1 65.17,68.48 65.45,68.2 65.45,66.58 v2(65.83,66.19) 61.92,66.19 v2(61.52,65.79) 60.14,65.79 R28.2 ; U1.26 58.57,61.4 59.29,62.12 60.68,62.12 60.71,62.1 61.46,62.1 v2(61.51,62.14)
  Top w0.178: U9.1 v2(77.62,75.92) U9.2
  Bottom w0.152: v2(61.51,62.14) 61.51,65.78 v2(61.52,65.79)
  Bottom w0.178: v2(65.83,66.19) 66.6,66.96 66.6,67.44 71.8,72.65 75.74,72.65 77.62,74.53 v2(77.62,75.92)
/RP2040_CAN_FLASH/RX: length 57.8
  Top w0.152: U1.2 51.71,55.54 49.7,53.53 v2(49.7,52.72) ; v2(48.94,70.25) 48.94,71.27 49.44,71.77 49.44,78.19 50.52,79.27 73.57,79.27 74.84,78 J5.20
  Bottom w0.152: v2(49.7,52.72) 49.96,52.99 49.96,55.38 49.19,56.15 49.19,64.79 49.44,65.04 49.44,69.74 v2(48.94,70.25)
/RP2040_CAN_FLASH/RXCAN: length 10.6
  Top w0.152: TP8.1 80.49,64.53 80.5,64.54 ; 80.5,64.54 81.39,65.42 ; 80.5,64.54 78.4,64.54 76.37,62.5 76.37,60.98 75.93,60.54 U7.2
/RP2040_CAN_FLASH/SPI0_CS: length 19
  Top w0.152: v2(66.34,62.42) 65.53,63.22 60.86,63.22 60.65,63.01 59.04,63.01 58.22,62.2 U1.28 ; v2(66.34,61.27) 66.37,61.23 69.02,61.23 U7.18 70.44,61.19 72.69,58.95 TP12.1
  Bottom w0.152: v2(66.34,62.42) v2(66.34,61.27)
/RP2040_CAN_FLASH/SPI0_RX: length 21.2
  Top w0.152: U1.27 58.41,61.8 59.11,62.5 60.87,62.5 61.13,62.76 64.56,62.76 65.47,61.84 U7.17 70.55,61.84 73.57,58.82 73.57,56.79 TP11.1
/RP2040_CAN_FLASH/SPI0_SCK: length 24.5
  Top w0.152: v2(71.03,63.65) 70.89,63.79 U7.14 60.77,63.79 60.49,63.52 58.97,63.52 58.45,63 U1.29 ; TP13.1 72.69,71.77 71.54,70.63 v2(71.54,67.2)
  Bottom w0.152: v2(71.03,63.65) 71.03,65.3 71.54,65.81 v2(71.54,67.2)
/RP2040_CAN_FLASH/SPI0_TX: length 23.4
  Top w0.152: TP10.1 70.54,62.49 U7.16 69.05,62.5 v2(67.35,62.5) ; v2(67.35,64.41) 67.22,64.28 60.62,64.28 60.37,64.03 58.84,64.03 58.59,63.77 56.3,63.77 56.11,63.58 U1.30
  Bottom w0.152: v2(67.35,62.5) v2(67.35,64.41)
/RP2040_CAN_FLASH/SWCLK: length 65.8
  Top w0.152: v2(65.96,56.59) 65.17,57.38 65.17,59.62 63.68,61.11 60.24,61.11 59.73,60.6 U1.24 ; v2(104.26,63.6) 105.94,63.6 109.78,59.77 J1.2
  Bottom w0.152: v2(65.96,56.59) 75.18,56.59 77.29,58.7 77.29,59.79 78.18,60.68 90.27,60.68 96.14,66.55 102.94,66.55 104.26,65.23 v2(104.26,63.6)
/RP2040_CAN_FLASH/SWDIO: length 65
  Top w0.152: v2(66.06,57.51) 65.63,57.94 65.63,59.92 64.01,61.54 59.91,61.54 59.37,61 U1.25 ; J1.1 107.28,60.8 v2(105.13,62.94)
  Bottom w0.152: v2(105.13,62.94) 105.13,66.14 104.24,67.03 96.01,67.03 90.17,61.19 77.8,61.19 76.91,60.3 76.91,59.08 74.85,57.03 66.55,57.03 v2(66.06,57.51)
